# KiCad board Boom-1.kicad_pcb (continued)
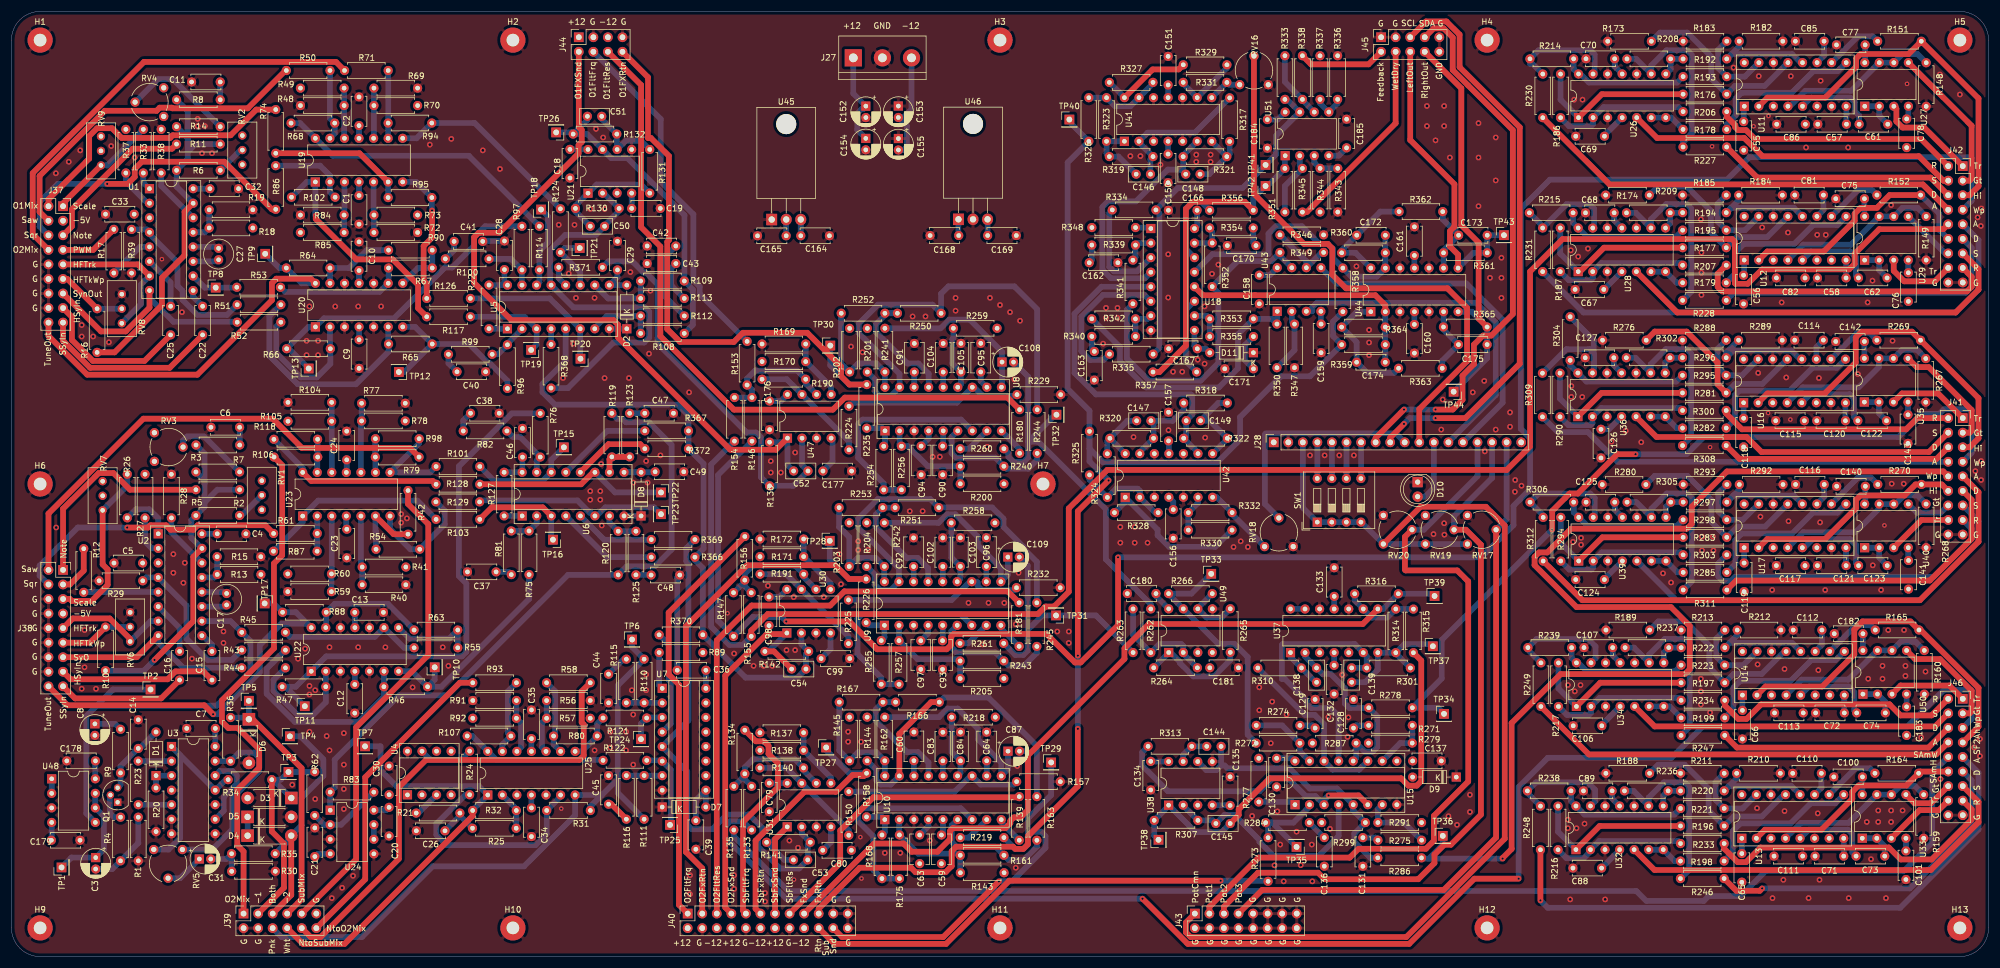
[diagram p0: board, top side]
## Routing (per net, layer and track width the routed paths; a pad name or vN(x,y) marks a point on that pad's centre or on a via; arc(x,y) is an arc through that point) (continued)
OscFiltEnv2AttackCV: length 93.2
  Bottom w1: J42.9 343.25,125.09 343.25,116.44 339.26,112.45 274.33,112.45 R231.1
OscFiltEnv2DecayCV: length 52.8
  Bottom w1: R228.1 300.56,115.89 341,115.89 342.05,116.94 342.05,123.75 J42.11
OscFiltEnv2Gate: length 9.6
  Bottom w1: J42.14 337.44,122.76 U29.5
OscFiltEnv2ReleaseCV: length 53.3
  Top w1: R207.1 297.74,119.2 297.74,116.92 298.52,116.13 341.24,116.13 342.05,116.94 342.05,118.67 J42.15
OscFiltEnv2SustainCV: length 71.8
  Top w1: J42.13 343.25,120.01 343.25,116.44 339.26,112.45 290.68,112.45 U28.5
OscFiltEnv2Trigger: length 13.1
  Top w1: J42.16 335.63,117.89 330.29,117.89 328.46,119.72 U29.3
PinkNoiseOut: length 113.9
  Bottom w1: TP6.1 108.3,54.02 R110.2 105.8,47.32 105.8,30.98 ; R31.2 101.02,26.2 103.02,28.2 ; 103.02,28.2 U25.7 98.36,24.65 89.46,15.75 73.5,15.75 61.16,3.41 47.13,3.41 J39.6 ; 103.02,28.2 105.8,30.98 ; R111.2 105.8,28.58 105.8,30.98
PreFV1FXReturn: length 248.3
  Top w1: v1(191.45,83.12) 186.08,77.75 v1(186.08,52.54) ; J40.19 140.86,8.34 148.02,15.5 156.98,15.5 157.76,14.72 163,14.72 164.07,15.79 164.07,18.4 164.85,19.18 174.76,19.18 175.14,18.8 176.58,18.8 177.36,19.58 177.36,21.02 186.08,29.75 v1(186.08,39.77)
  Bottom w1: R325.2 188.12,95.29 184.3,99.11 184.3,138.62 R326.2 184.61,145.72 ; R325.2 188.12,88.68 190.51,86.28 210.42,86.28 214.38,90.25 214.38,94.17 221.52,101.3 226.6,101.3 R359.1 230.61,108.33 230.61,110.87 R358.2 ; R325.2 188.12,86.45 v1(191.45,83.12) ; v1(186.08,39.77) v1(186.08,52.54)
PreFV1FXSend: length 142.2
  Top w1: U37.8 235.81,58.06 198.49,58.06 194.22,53.79 194.22,51.96 177.36,35.09 177.36,25.58 176.08,24.3 174.92,24.3 174.3,23.68 174.3,23.27 173.44,22.41 164.24,22.41 163.78,21.94 163.78,20.5 161.58,18.3 157.1,18.3 155.67,19.73 150.55,19.73 J40.17
  Bottom w1: TP39.1 247.95,63.33 R316.1 239.36,60.68 U37.8
SubAmpAudioBypassReturn: length 84.2
  Top w1: J40.20 143.61,2.21 163.09,2.21 174.13,13.25 v1(211,13.25)
  Bottom w1: v1(211,13.25) 219.16,13.25 R273.2
SubAmpAudioBypassSend: length 84.7
  Top w1: v1(172.31,13.13) 162.59,3.41 144.95,3.41 J40.22
  Bottom w1: 177.36,24.4 177.36,35.53 177.03,35.85 C87.2 ; 177.36,24.4 177.63,24.4 181.43,28.19 TP29.1 ; 177.36,24.4 177.36,20.36 ; R219.1 175.15,18.8 176.58,18.8 177.36,19.58 177.36,20.36 ; 177.36,20.36 177.36,20.94 178.22,21.8 179.66,21.8 180.44,21.02 180.44,18.98 174.59,13.13 v1(172.31,13.13)
SubAmpEnvAmtHigh: length 39
  Top w1: J41.12 336.84,82.42 R270.2 332.26,82.42 330.34,80.5 322.66,80.5 321.88,79.72 321.88,78.28 316.48,72.88 306.39,72.88 U17.2
SubAmpEnvAmtWiper: length 199.4
  Top w1: v1(260.2,17.1) 260.2,17.2 261.78,18.78 261.78,40.76 270.32,49.3 292,49.3 292.86,50.16 292.86,57.72 289.57,61.01 273.11,61.01 265.79,68.33 265.79,69.77 266.57,70.55 268.01,70.55 272.15,74.7 292.36,74.7 293.21,75.54 293.21,78.54 299.35,84.69 337.11,84.69 J41.10
  Bottom w1: TP36.1 249.76,19.51 247.35,17.1 ; 247.35,17.1 246.18,17.1 R286.1 ; 247.35,17.1 v1(260.2,17.1)
SubAmpEnvAttackCV: length 95.6
  Top w1: R312.1 274.13,62.21 333.02,62.21 343.25,72.44 343.25,81.09 J41.9
SubAmpEnvDecayCV: length 55.4
  Top w1: J41.11 342.05,79.75 342.05,72.94 334.77,65.65 300.99,65.65 R311.1
SubAmpEnvGate: length 8.1
  Bottom w1: U40.5 332.5,77.5 336.7,77.5 J41.14
SubAmpEnvReleaseCV: length 55.9
  Bottom w1: R303.1 297.84,68.64 297.84,66.35 298.62,65.57 300.06,65.57 300.78,66.3 335.41,66.3 342.05,72.94 342.05,74.67 J41.15
SubAmpEnvSustainCV: length 74.1
  Bottom w1: J41.13 343.25,76.01 343.25,72.44 333.02,62.21 290.49,62.21 U39.5
SubAmpEnvTrigger: length 11.5
  Top w1: J41.16 333.29,76.22 U40.3
SubFiltEnv1AmtHigh: length 39.1
  Top w1: J46.12 333.09,32.3 R164.2 330.66,29.86 322.34,29.86 321.23,28.75 321.23,27.54 315.83,22.14 305.99,22.14 U13.2
  Bottom w1: J46.12 337.96,32.16
SubFiltEnv1AmtWiper: length 235.4
  Bottom w1: 296.16,10.56 301.75,10.56 306.13,14.94 330.2,14.94 335.18,19.92 335.18,32.06 J46.10 ; 296.16,10.56 296.16,10.71 ; 296.16,10.56 295.31,9.71 285.28,9.71 283.55,11.44 135.58,11.44 126.05,20.97 R135.1
SubFiltEnv1AttackCV: length 105.3
  Top w1: R248.1 266.8,18.64 v1(266.8,9.8)
  Bottom w1: v1(266.8,9.8) 268.09,8.51 329.58,8.51 343.25,22.19 343.25,32.09 J46.9
SubFiltEnv1DecayCV: length 59
  Top w1: v1(305.5,11.9) 305.08,11.48 300.99,11.48 R246.1
  Bottom w1: J46.11 342.05,30.75 342.05,22.69 331.26,11.9 v1(305.5,11.9)
SubFiltEnv1Gate: length 9.2
  Top w1: J46.14 334.96,26.76 332.1,26.76 U33.5
SubFiltEnv1ReleaseCV: length 53.8
  Top w1: J46.15 342.05,25.67 342.05,23.94 335.06,16.94 329.7,16.94 327.61,19.03 305.22,19.03 302.67,16.48 301.23,16.48 298.87,18.84 R233.1
SubFiltEnv1SustainCV: length 72.5
  Top w1: J46.13 343.25,27.01 343.25,23.44 334.93,15.11 286.71,15.11 U32.5
SubFiltEnv1Trigger: length 12.6
  Top w1: U33.3 332.96,25.56 336.3,25.56 J46.16
SubFiltEnv2AmtHigh: length 62
  Top w1: U14.2 306.09,47.14 315.97,47.14 321.58,52.75 321.58,57.08 323.01,58.51 331.36,58.51 R165.2 333.14,57.01 343.25,46.91 343.25,40.13 J46.7
SubFiltEnv2AmtWiper: length 267.7
  Top w1: v1(197.37,10.1) 205.26,2.21 243.9,2.21 255.29,13.6 v1(263,13.6)
  Bottom w1: v1(197.37,10.1) 135.22,10.1 124.55,20.77 124.55,22.75 125.4,23.6 127.65,23.6 R133.1 ; J46.5 342.05,41.47 342.05,46.41 341.91,46.55 337.22,46.55 330.84,40.17 295.13,40.17 289.65,34.69 268.08,34.69 263,29.62 v1(263,13.6)
SubFiltEnv2AttackCV: length 75.4
  Top w1: R249.1 275.26,35.28 335.86,35.28 J46.8
SubFiltEnv2DecayCV: length 41.3
  Top w1: J46.6 334.52,36.48 301.1,36.48 R247.1
SubFiltEnv2Gate: length 19.6
  Top w1: U50.5 332.2,51.93 336.53,51.93 342.05,46.41 342.05,42.81 341.7,42.46 J46.3
SubFiltEnv2ReleaseCV: length 43.9
  Top w1: J46.2 335.06,42.1 329.64,42.1 327.71,44.03 305.32,44.03 302.77,41.48 301.33,41.48 298.97,43.84 R234.1
SubFiltEnv2SustainCV: length 57.1
  Top w1: J46.4 335.67,40.17 286.74,40.17 U34.5
SubFiltEnv2Trigger: length 13.9
  Top w1: U50.3 329.66,47.32 338.18,47.32 J46.1
SubFiltFreqCV: length 38
  Top w1: J40.9 127.65,8.01 127.65,23.48 133.74,29.56 133.74,33.76 132.11,35.39 132.11,36.8 131.33,37.58 129.92,37.58 R134.2
SubFiltResCV: length 51.9
  Top w1: R139.2 175.73,27.8 150.41,27.8 144.62,22 144.62,16.34 J40.15
SubFXReturn: length 46.7
  Top w1: J40.11 129.85,8.35 129.85,20.25 138.36,28.76 143.86,28.76 146.8,31.7 148.08,31.7 148.28,31.5 148.71,31.5 R158.2
  Bottom w1: TP27.1 142.17,36.03 146.2,32 R158.2
SubFXSend: length 26.7
  Top w1: 135.36,22.64 135.38,22.64 ; J40.13 133.24,20.51 U31.1
  Bottom w1: C53.2 134.86,16.87 R141.1 132.68,19.95 U31.1
SubOct1Out: length 38.9
  Top w1: J39.3 47.55,12.01 47.55,19.72 45.43,21.84 R34.1
  Bottom w1: D3.1 45.63,30.88 R34.1 47,30.88 TP3.1 52.89,32.22 R62.2
SubOct2Out: length 45.7
  Top w1: J39.7 50.63,10.01 50.63,32.89 42.09,41.43 D6.1
  Bottom w1: TP5.1 41.42,41.44 D6.1 41.13,41.73 R36.1
SubOctBothOut: length 42.4
  Top w1: D4.2 48.83,10.75 J39.5
  Bottom w1: TP4.1 50.43,38.45 54.42,34.46 54.42,31.53 50.63,27.74 50.63,22.91 D4.2 48.83,20.75 R35.1
SubToOsc2FiltMixCV: length 90.3
  Top w1: R106.1 47.24,85.78 47.24,70.06 45.81,68.63 45.81,53.8 36.73,44.72 36.73,41.01 37.84,39.9 39.5,39.9 43.23,36.17 43.23,32.95 39.4,29.12 39.4,19.44 40.5,18.35 J39.1
SubToSubFiltMixCV: length 84.5
  Top w1: R42.1 69.2,79.01 72.74,75.47 72.74,52.63 60.15,40.04 60.15,16.99 J39.9
WhiteNoiseOut: length 74.9
  Top w1: J39.8 50.87,2.21 58.13,2.21 80.48,24.56 R32.2
  Bottom w1: TP7.1 64.4,36.7 64.4,32.53 67.18,29.75 81.57,29.75 U25.1 80.48,25.56 R32.2
Net-(C3-Pad1): length 19.1
  Bottom w1: U48.7 U48.6 16.14,24.45 16.14,18.72 C3.1 10.46,17.28 TP1.1
Net-(C3-Pad2): length 13.8
  Bottom w1: C3.2 17.6,15.28 R4.2 22.13,19.81 R1.1
Net-(C6-Pad2): length 3.1
  Bottom w1: R3.2 39.83,92.39 C6.2
Net-(C11-Pad2): length 3.2
  Bottom w1: C11.2 36.43,149.59 R8.2 ; 36.43,152.59 36.48,152.63
Net-(C14-Pad1): length 12.6
  Bottom w1: Q1.3 19.03,29.97 R9.2 19.03,33.23 C14.1 22.35,36.33 D1.2
Net-(C15-Pad2): length 3.8
  Bottom w1: C15.2 34.98,54.43 33.23,56.19 U2.9
Net-(C16-Pad2): length 9.4
  Bottom w1: U2.6 29.34,57.38 C16.2
Net-(C17-Pad2): length 4.4
  Bottom w1: U2.11 37.26,61.1 C17.2
Net-(C22-Pad2): length 3.4
  Bottom w1: U1.9 31.7,115.18 C22.2
Net-(C25-Pad2): length 9.4
  Bottom w1: U1.6 27.77,117.67 C25.2
Net-(C26-Pad1): length 7.7
  Bottom w1: R25.1 78.25,24.6 R21.1 78.25,24.55 C26.1
Net-(C27-Pad2): length 4.6
  Bottom w1: U1.11 35.86,121.36 C27.2
Net-(C31-Pad1): length 6.8
  Bottom w1: RV5.2 29.43,13.68 C31.1
Net-(C31-Pad2): length 7.2
  Bottom w1: R30.1 38.43,14.83 38.41,14.85 R35.2 37.48,17.03 C31.2
Net-(C37-Pad1): length 2.8
  Bottom w1: C37.1 86.75,67.16 R81.2
Net-(C38-Pad1): length 3.6
  Bottom w1: R82.2 78.84,93.58 C38.1
Net-(C40-Pad1): length 3.7
  Bottom w1: R99.2 76.26,103.58 C40.1
Net-(C41-Pad1): length 3.7
  Bottom w1: C41.1 77.24,123.33 R100.2
Net-(C42-Pad1): length 14.5
  Bottom w1: C42.1 113.93,122.05 113.93,115.32 R112.2
Net-(C43-Pad1): length 7.4
  Bottom w1: C43.1 115.13,120.19 115.13,117.17 R113.2
Net-(C44-Pad1): length 4.2
  Bottom w1: R115.2 106.82,51.92 C44.1
Net-(C45-Pad1): length 4.2
  Top w1: R116.2 104.68,26.6 C45.1
Net-(C47-Pad1): length 2.7
  Bottom w1: R123.2 110.51,94.85 C47.1
Net-(C48-Pad1): length 2.7
  Bottom w1: R125.2 111.59,66.63 C48.1
Net-(C50-Pad1): length 69.9
  Bottom w1: U21.2 103.37,133.28 R130.2 106.04,130.17 103.5,127.63 C50.1 102,126 96.64,126 94,123.36 94,117.39 U5.13 98.05,113.34 110.51,113.34 111.29,112.56 111.29,108.08 110.41,107.2 105.06,107.2 97.12,99.25 R368.2
Net-(C50-Pad2): length 19.8
  Bottom w1: R131.2 109.88,134.78 102.11,134.78 U21.1 98.42,131.09 R130.1 98.42,130.08 C50.2
Net-(C51-Pad1): length 13.8
  Bottom w1: R131.1 109.88,142.4 107.19,142.4 U21.6 105.63,140.95 R132.2 103,146.22 C51.1
Net-(C51-Pad2): length 54.7
  Bottom w1: U21.7 104.65,139.4 107.48,139.4 117.43,129.44 117.43,117.97 R109.2 118.91,116.44 118.91,110.3 R108.2 ; U21.7 102.83,140.9 ; U21.7 100.45,143.59 R132.1 ; TP26.1 97.72,143.89 R132.1 ; R132.1 100.5,146.08 C51.2
Net-(C52-Pad1): length 69.9
  Bottom w1: R371.1 104.16,121.37 108.33,121.37 110.26,119.44 110.66,119.44 112.73,117.37 112.73,107.04 128.3,91.48 129.94,91.48 130.79,90.63 130.79,83.68 R136.2 136.4,82.18 C52.1 137.95,85.81 U47.2
Net-(C53-Pad1): length 90.7
  Bottom w1: R369.1 117.76,71.3 117.76,69.01 118.12,68.65 118.12,41.22 U7.5 117.93,32.28 117.93,23.01 118.71,22.23 122.27,22.23 124.84,24.8 128.67,24.8 131,22.47 131,21.4 130.28,20.67 130.28,19.23 134.14,15.37 137.45,15.37 C53.1 138.95,19.5 R141.2 137.91,21.44 U31.2
Net-(C54-Pad1): length 109.2
  Bottom w1: U30.2 137.85,54.52 R142.2 138.64,52.81 C54.1 137.14,48.69 128.12,48.69 R370.2 120.64,67.83 119.26,69.21 119.26,69.73 120.77,71.24 120.77,86.03 R372.1 R367.1 118.15,94.45 116.24,96.36 94.83,96.36 92.66,98.53 92.66,99.97 96.71,104.02 U5.5
Net-(C55-Pad1): length 3.1
  Bottom w1: C55.1 302.28,148.52 302.38,148.62 U11.1
Net-(C56-Pad1): length 2.7
  Bottom w1: C56.1 302.36,119.06 U12.1
Net-(C57-Pad2): length 3.2
  Bottom w1: C57.2 320.21,148.43 320.23,148.45 U11.8
Net-(C58-Pad2): length 3.1
  Bottom w1: C58.2 320.14,118.48 U12.8
Net-(C59-Pad2): length 2.8
  Bottom w1: U10.5 162.56,21.5 C59.2
Net-(C60-Pad1): length 2.7
  Bottom w1: C60.1 157.48,31.53 U10.16
Net-(C61-Pad1): length 14.2
  Bottom w1: C61.1 322.42,146.82 321.66,147.58 321.66,149.17 320.88,149.95 314.04,149.95 U11.5
Net-(C61-Pad2): length 6.3
  Bottom w1: C61.2 325.94,146.8 U27.2 U27.1
Net-(C62-Pad1): length 14.2
  Bottom w1: C62.1 321.88,118.9 321.88,122.08 320.86,123.1 314.02,123.1 U12.5
Net-(C62-Pad2): length 6.2
  Bottom w1: U29.1 U29.2 325.92,119.86 C62.2
Net-(C63-Pad1): length 3.3
  Bottom w1: U10.4 160.02,22.76 C63.1
Net-(C64-Pad1): length 2.6
  Bottom w1: C64.1 170.18,31.53 U10.11
Net-(C65-Pad1): length 2.7
  Bottom w1: U13.1 C65.1
Net-(C66-Pad1): length 2.7
  Bottom w1: U14.1 C66.1
Net-(C71-Pad2): length 3.1
  Bottom w1: U13.8 C71.2
Net-(C72-Pad2): length 3.1
  Bottom w1: U14.8 C72.2
Net-(C73-Pad1): length 14.2
  Bottom w1: C73.1 321.23,18.19 321.23,21.36 320.45,22.14 313.61,22.14 U13.5
Net-(C73-Pad2): length 6.2
  Bottom w1: U33.1 U33.2 326.89,19.27 C73.2
Net-(C74-Pad1): length 14.2
  Bottom w1: U14.5 313.71,47.14 320.55,47.14 321.58,46.12 321.58,42.95 C74.1
Net-(C74-Pad2): length 6.4
  Bottom w1: C74.2 326.99,44.44 U50.2 U50.1
Net-(C84-Pad2): length 11.1
  Bottom w1: R218.1 164.07,35.7 C84.2 165.6,32.03 U10.13
Net-(C87-Pad1): length 33.1
  Bottom w1: R162.2 161.85,41.79 163.35,43.29 165.12,43.29 168.68,39.74 168.68,37.89 172.72,33.85 U10.10 173.9,32.71 C87.1
Net-(C90-Pad2): length 2.7
  Bottom w1: U8.5 162.59,89.2 C90.2
Net-(C91-Pad1): length 2.7
  Bottom w1: C91.1 157.55,99.44 U8.16
Net-(C92-Pad1): length 2.7
  Bottom w1: C92.1 157.42,65.45 U9.16
Net-(C93-Pad2): length 2.7
  Bottom w1: U9.5 162.49,55.17 C93.2
Net-(C94-Pad1): length 3.2
  Bottom w1: U8.4 160.05,90.42 C94.1
Net-(C95-Pad1): length 3.1
  Bottom w1: C95.1 169.14,100.47 U8.11
Net-(C96-Pad1): length 2.7
  Bottom w1: C96.1 170.13,65.46 U9.11
Net-(C97-Pad1): length 3.2
  Bottom w1: U9.4 159.95,56.42 C97.1
Net-(C103-Pad2): length 11.2
  Bottom w1: R258.1 164.02,75.68 164.02,69.66 C103.2 165.58,65.99 U9.13
Net-(C105-Pad2): length 11.2
  Bottom w1: U8.13 165.68,99.95 C105.2 164.18,103.55 164.18,107.77 164.37,107.96 R259.1
Net-(C108-Pad1): length 29.6
  Bottom w1: R241.2 162.14,109.68 163.65,111.19 167.23,111.19 172.86,105.56 C108.1 172.86,99.51 U8.10
Net-(C108-Pad2): length 69.7
  Bottom w1: 177.42,89.86 179.2,89.86 190.97,78.09 190.97,69.34 198.81,61.5 R262.2 198.81,60.58 ; 177.42,89.86 177.42,101.23 C108.2 ; 177.42,89.86 182.16,94.6 TP32.1 ; 177.42,89.86 177.42,87.14 176.64,86.36 174.86,86.36 173.98,87.24 173.98,87.86 R260.1
Net-(C109-Pad1): length 32.9
  Bottom w1: C109.1 173.87,66.66 U9.10 172.65,67.81 168.63,71.83 168.63,73.29 164.71,77.21 163.27,77.21 161.78,75.72 R242.2
Net-(C109-Pad2): length 44.4
  Bottom w1: R263.1 189.24,59.55 TP31.1 179.89,59.55 177.34,57 ; 177.34,57 177.34,68.27 C109.2 ; 177.34,57 177.34,53.43 176.56,52.65 175.17,52.65 R261.1
Net-(C118-Pad1): length 2.7
  Bottom w1: U16.1 302.26,93.99 C118.1
Net-(C119-Pad1): length 2.7
  Bottom w1: U17.1 C119.1
Net-(C120-Pad2): length 3.1
  Bottom w1: U16.8 C120.2
Net-(C121-Pad2): length 3.1
  Bottom w1: U17.8 320.13,68.27 C121.2
Net-(C122-Pad1): length 14.2
  Bottom w1: C122.1 321.54,94.21 321.54,97.4 320.76,98.18 313.92,98.18 U16.5
Net-(C122-Pad2): length 6.3
  Bottom w1: U35.1 U35.2 325.87,94.88 C122.2
Net-(C123-Pad1): length 14.2
  Bottom w1: U17.5 312.83,71.38 314.33,72.88 320.85,72.88 321.88,71.85 321.88,68.69 C123.1
Net-(C123-Pad2): length 6.2
  Bottom w1: U40.1 U40.2 325.92,69.65 C123.2
Net-(C128-Pad1): length 2.8
  Bottom w1: R271.2 234.64,40.35 C128.1
Net-(C129-Pad1): length 2.8
  Bottom w1: R274.2 227.03,40.35 C129.1
Net-(C131-Pad1): length 2.8
  Bottom w1: C131.1 238,20.76 R275.2
Net-(C136-Pad1): length 3.7
  Bottom w1: R284.2 C136.1
Net-(C138-Pad1): length 7.1
  Bottom w1: C138.1 227.61,47.88 R310.1 223.19,52.3 U37.1
Net-(C138-Pad2): length 32.6
  Bottom w1: U15.12 234.64,34.64 R287.1 236.13,35.77 237.53,35.77 238.33,36.57 238.33,41.94 R278.2 236.8,43.39 233.46,43.39 232.68,44.17 232.68,46.86 230.2,49.34 228.78,49.34 C138.2 225.73,52.39 U37.2
Net-(C139-Pad1): length 50
  Bottom w1: U15.13 231.59,35.72 ; 231.59,35.72 231.59,38.57 ; 231.59,35.72 231.59,42 230.2,43.39 226.77,43.39 225.99,44.17 225.99,44.67 222.19,48.47 221.69,48.47 221.69,54.42 221.83,54.56 234.39,54.56 U37.6 236.49,52.46 R301.1 236.48,50.39 C139.1
Net-(C139-Pad2): length 22.5
  Bottom w1: TP37.1 247.66,54.54 243.06,54.54 R314.1 ; R314.1 238.44,53.05 U37.7 238.43,50.1 236.22,47.89 C139.2 ; R314.1 241.57,52.92 R301.2
Net-(C144-Pad1): length 5.9
  Bottom w1: C144.1 205.97,36.69 R313.1 204.46,35.21 U38.7
Net-(C144-Pad2): length 47.7
  Bottom w1: 211.08,33.36 211.68,33.36 212.16,32.88 223,32.88 226.55,29.33 231.31,29.33 U15.5 234.13,25.52 R299.1 234.32,21.45 234.32,20.04 237.13,17.23 R286.2 ; 211.08,33.36 210.26,32.55 208.5,32.55 U38.6 ; 211.08,33.36 C144.2
Net-(C145-Pad1): length 39.2
  Bottom w1: U15.4 231.59,21.05 228.13,17.59 220.22,17.59 217.78,20.03 217.78,20.34 213.39,24.73 211.67,24.73 C145.1 209.63,23.77 R307.1 204.46,26.34 U38.2
Net-(C145-Pad2): length 81.7
  Top w1: C145.2 214.15,24.71 214.15,25.7 219.56,31.11 242.5,31.11 243.78,29.83 245.22,29.83 246.01,30.62 246.01,51.67 R315.2
  Bottom w1: C145.2 211.17,21.73 206.62,21.73 U38.1 201.92,26.29 R307.2 199.41,21.13 TP38.1
Net-(C146-Pad1): length 11.9
  Bottom w1: C146.1 193.19,139.66 R319.2 191.09,140.15 R323.2 194.2,142.32 U41.1
Net-(C146-Pad2): length 25.9
  Bottom w1: R317.1 206.49,143.83 198.25,143.83 U41.2 196.75,142.11 R319.1 198.76,139.22 C146.2
Net-(C147-Pad1): length 12.6
  Bottom w1: R324.2 191.23,90.04 R320.1 ; R320.1 U42.14 ; R320.1 194.74,93.55 C147.1
Net-(C147-Pad2): length 14.6
  Bottom w1: R318.2 204.55,95.45 202.63,93.53 198.86,93.53 C147.2 199.29,93.1 R320.2 196.89,88.08 U42.13
Net-(C148-Pad1): length 12.5
  Bottom w1: R317.2 212.57,140.14 R321.2 ; R321.2 209.02,136.59 C148.1 ; R321.2 209.45,142.28 U41.7
Net-(C148-Pad2): length 45
  Bottom w1: U18.4 197.77,118.43 191.85,118.43 190.37,119.92 190.37,130.85 191.37,131.85 196.24,131.85 201.78,137.39 204.11,137.39 C148.2 204.46,137.04 R321.1 204.46,139.88 U41.6
Net-(C149-Pad1): length 15.7
  Bottom w1: R318.1 210.57,96.64 C149.1 209.09,93.56 R322.2 212.17,90.38 U42.8
Net-(C149-Pad2): length 59.6
  Bottom w1: U18.5 190.21,116.94 185.5,112.23 185.5,101.88 189.24,98.14 205.84,98.14 206.05,97.93 206.05,94.62 C149.2 204.99,90.92 R322.1 207.05,87.98 U42.9
Net-(C162-Pad1): length 3.3
  Bottom w1: R339.2 188.52,121.58 C162.1
Net-(C163-Pad1): length 2.8
  Bottom w1: R340.2 188.52,106.08 C163.1
Net-(C170-Pad1): length 3.3
  Bottom w1: R354.2 216.7,124.59 C170.1
Net-(C171-Pad1): length 6.9
  Bottom w1: R355.2 215.22,106.74 215.22,104.12 C171.1
Net-(C172-Pad1): length 19.4
  Bottom w1: U44.14 234.54,122.86 R360.1 232.12,123.31 C172.1 238.87,130.05 R362.2
Net-(C172-Pad2): length 49.7
  Bottom w1: C172.2 239.75,122.87 R360.2 U44.13 238.24,118.7 233.83,118.7 R358.1 230.62,121.91 230.62,123.49 229.69,124.42 228.25,124.42 225.18,127.49 220.63,127.49 219.35,126.22 219.35,122.62 209.58,122.62 U18.13
Net-(C173-Pad2): length 12.1
  Bottom w1: U44.9 R361.2 249.9,123.31 C173.2 249.76,128.69 R362.1
Net-(C174-Pad1): length 21.8
  Bottom w1: U44.1 234.79,112.58 R364.1 234.73,107.28 C174.1 236.59,101.9 241.25,101.9 R363.2
Net-(C174-Pad2): length 44.6
  Top w1: U44.2 239.74,113.71 237.99,115.46 217.03,115.46 207.91,115.46 U18.12
  Bottom w1: C174.2 239.74,103.77 R359.2 239.73,106.83 R364.2 239.74,109.91 U44.2
Net-(C175-Pad2): length 12.1
  Bottom w1: R363.1 249.67,104.01 C175.2 249.88,109.46 R365.2 249.9,109.93 U44.6
Net-(D1-Pad1): length 4.9
  Bottom w1: R20.1 D1.1 U3.3
Net-(D4-Pad1): length 3.3
  Bottom w1: D4.1 D5.1
Net-(D10-Pad2): length 11.4
  Bottom w1: D10.2 246.65,80.29 248.2,81.85 J28.12
Net-(J28-Pad4): length 6.3
  Bottom w1: J28.4 227.88,83.49 SW1.8
Net-(J28-Pad5): length 6.3
  Bottom w1: SW1.7 230.42,83.49 J28.5
Net-(J28-Pad6): length 6.3
  Bottom w1: J28.6 232.96,83.49 SW1.6
Net-(J28-Pad7): length 6.3
  Bottom w1: SW1.5 235.5,83.49 J28.7
Net-(J28-Pad10): length 40.5
  Bottom w1: J28.10 241.57,91.33 218.85,91.33 ; 218.71,91.19 218.71,79.02 RV18.2
Net-(J28-Pad11): length 99.1
  Top w1: RV16.2 216.82,133.15 225.55,124.42 229.69,124.42 230.47,123.64 230.47,119.07 232.88,116.66 250.58,116.66 254,113.24 254,103.92 245.66,95.58 J28.11
Net-(J28-Pad13): length 59.8
  Bottom w1: U43.3 226.96,112.64 227,112.68 227,113.36 227.78,114.14 255.55,114.14 259,110.69 259,98.04 J28.13
Net-(J28-Pad14): length 59.7
  Bottom w1: U43.5 231.26,117.5 253.89,117.5 260.2,111.19 260.2,96.7 J28.14
Net-(Q1-Pad2): length 5.3
  Bottom w1: R4.1 17.9,24.33 17.18,25.05 17.18,28.12 Q1.2
Net-(R2-Pad1): length 5.3
  Bottom w1: R2.1 40.16,77 RV1.2
Net-(R6-Pad1): length 5.3
  Bottom w1: RV2.2 39.96,140.8 R6.1
Net-(R7-Pad1): length 13.9
  Bottom w1: RV3.2 29.94,90.1 30.65,90.81 33.61,90.81 R7.1
Net-(R10-Pad1): length 62.3
  Top w1: v1(24.96,51.78) 31.73,58.55 31.73,69.76 U2.15
  Bottom w1: v1(24.96,51.78) 23.09,49.91 R10.1 16.41,50 ; 33.69,82.65 33.69,79.26 ; 33.69,82.65 33.69,87.82 R3.1 ; 33.69,82.65 33.69,83.1 R7.2 ; 33.69,79.26 33.69,78.51 R2.2 31.39,76.21 31.39,73.1 U2.15 ; 33.69,79.26 35.94,81.5 R5.1
Net-(R11-Pad1): length 65
  Top w1: R16.1 17.98,105.48 26.27,113.77 26.27,118.49 30.2,122.43 30.2,130.02 U1.15
  Bottom w1: U1.15 28.81,134.41 28.81,137.26 30.76,139.21 30.76,140.48 ; 30.76,140.48 30.76,142.56 ; 30.76,140.48 32.11,141.84 R11.1 ; 30.76,142.56 30.76,147.64 R8.1 ; 30.76,142.56 30.76,142.94 28.81,144.88
Net-(R12-Pad2): length 13
  Bottom w1: U2.5 12.67,63.64 R12.2
Net-(R13-Pad1): length 6
  Bottom w1: R15.2 35.89,66.72 R13.1 35.39,66.18 U2.13
Net-(R14-Pad1): length 20
  Bottom w1: RV4.2 25.58,153.18 28.13,153.18 R14.1
Net-(R17-Pad2): length 8.1
  Bottom w1: R17.2 22.42,123.9 U1.5
Net-(R18-Pad1): length 6.3
  Bottom w1: R19.2 R18.1 33.74,126.44 U1.13
Net-(R21-Pad2): length 4.9
  Bottom w1: R21.2 71,25.05 U4.3
Net-(R22-Pad1): length 3.2
  Bottom w1: R22.1 86.54,109.61 U5.1
Net-(R23-Pad1): length 5.8
  Bottom w1: R23.1 27.93,34.13 U3.2
Net-(R23-Pad2): length 5.8
  Bottom w1: U3.5 27.93,26.51 R23.2
Net-(R24-Pad1): length 38.4
  Bottom w1: R24.1 79.23,28.25 74.15,23.17 74.15,21.23 75.93,19.45 91.46,19.45 93.4,21.39 R31.1 95.82,27.92 U25.6
Net-(R24-Pad2): length 9.6
  Bottom w1: U4.7 73.14,34.35 78.43,34.35 R24.2
Net-(R25-Pad2): length 6.8
  Bottom w1: U25.2 88.1,25.76 R32.1 88.1,22.43 R25.2
Net-(R26-Pad2): length 9.4
  Bottom w1: R26.2 21.71,78.09 24.03,78.09 25.61,76.51 U2.1
Net-(R27-Pad2): length 6.9
  Bottom w1: R27.2 23.31,72.43 24.48,71.26 U2.2
Net-(R28-Pad2): length 10.1
  Bottom w1: R28.2 27.91,74.04 U2.14
Net-(R29-Pad1): length 27.6
  Bottom w1: R43.2 38.46,51.78 34.26,51.78 30.54,55.51 30.54,61.26 U2.4 23.49,66.18 R29.1
Net-(R33-Pad2): length 3.2
  Bottom w1: R33.2 23.01,135.13 U1.1
Net-(R34-Pad2): length 35.8
  Bottom w1: RV5.1 27.4,18.68 29.43,20.71 29.43,35.17 U3.1 U3.11 37.38,30.88 R34.2
Net-(R36-Pad2): length 33.3
  Bottom w1: RV5.3 35.02,18.68 38.56,22.21 38.56,27.69 43.23,32.36 43.23,34.67 42.29,35.61 39.73,35.61 R36.2 35.57,34.11 U3.13
Net-(R37-Pad2): length 7.2
  Bottom w1: R37.2 19.96,135.32 23.76,131.52 U1.2
Net-(R38-Pad2): length 10.1
  Bottom w1: R38.2 26.13,134.55 U1.14
Net-(R39-Pad1): length 28.9
  Bottom w1: R39.1 23.57,126.95 U1.4 24.08,126.12 28.97,121.23 28.97,117.11 29.86,116.21 29.86,114.63 32.46,112.03 37.62,112.03 R51.2
Net-(R40-Pad2): length 12.1
  Bottom w1: R40.2 R41.2 60.98,68.22 U23.5
Net-(R42-Pad2): length 12.8
  Top w1: R42.2 66.69,73.74 U23.6
  Bottom w1: R54.1 63.6,71.12 63.6,74.2 63.52,74.28 U23.6
Net-(R43-Pad1): length 37.7
  Bottom w1: U22.6 65.01,47.12 R46.2 64.99,45.36 60.58,40.95 49.47,40.95 44.53,45.89 44.53,50.23 R43.1
Net-(R44-Pad1): length 22.1
  Bottom w1: R44.1 45.73,48.33 45.73,46.38 49.96,42.15 52.6,42.15 54.86,44.41 R47.2 54.85,47.11 U22.2
Net-(R45-Pad1): length 25.2
  Bottom w1: U22.9 63.39,55.81 48.61,55.81 R45.1 48.06,56.6 ; U22.9 64.99,57.44 ; U22.9 68.53,53.91 R55.2
Net-(R45-Pad2): length 77.5
  Bottom w1: 14.47,43.39 13.06,41.98 13.06,24.99 U48.5 ; 14.47,43.39 14.88,43.8 35.81,43.8 41.69,49.68 41.69,55.1 R45.2 38.23,58.56 U2.10 ; 14.47,43.39 17.7,46.62 TP2.1
Net-(R46-Pad1): length 38.4
  Bottom w1: TP10.1 73.85,48.34 R46.1 ; R46.1 75,47.1 90.32,62.43 R75.2 ; R46.1 69.91,49.81 U22.7
Net-(R47-Pad1): length 91
  Bottom w1: R76.2 87.3,94.83 78.07,85.59 78.07,66.43 79.38,65.12 79.38,53.18 78.6,52.4 54.91,52.4 U22.1 49.61,47.1 R47.1 47.78,47.1 TP11.1
Net-(R48-Pad2): length 8.8
  Bottom w1: R49.2 R48.2 58.05,142.92 U19.12
Net-(R50-Pad2): length 12.5
  Bottom w1: U19.13 56.41,143.7 R68.1 55.58,146.34 R50.2
Net-(R51-Pad1): length 39.3
  Bottom w1: R51.1 45.01,111.8 45.01,104.87 49.96,99.91 60.1,99.91 65.8,105.61 R65.2 65.74,107.01 U20.6
Net-(R52-Pad1): length 24.4
  Bottom w1: R52.1 46.21,109.95 46.21,105.37 50.46,101.11 53.28,101.11 55.64,103.48 R66.2 55.58,106.18 U20.2
Net-(R53-Pad1): length 22.4
  Bottom w1: R53.1 47.75,116.05 64.24,116.05 U20.9 65.8,117.61 R67.2
Net-(R53-Pad2): length 8.5
  Bottom w1: R53.2 39.26,116.79 TP8.1 33.74,116.79 U1.10
Net-(R55-Pad1): length 14.8
  Bottom w1: R55.1 R63.1 76.38,55.5 69.47,55.5 U22.8
Net-(R56-Pad2): length 9.5
  Bottom w1: U25.10 92.58,36.52 92.58,40.8 R57.2 R56.2
Net-(R58-Pad2): length 13.2
  Bottom w1: U25.9 94.6,37.04 R80.1 94.88,38.78 94.88,46.3 R58.2
Net-(R59-Pad2): length 13.2
  Bottom w1: R59.2 R60.2 55.9,66.87 U23.3
Net-(R61-Pad2): length 6.1
  Bottom w1: R87.1 53.36,70.78 R61.2 U23.2
Net-(R62-Pad1): length 13.3
  Bottom w1: R83.2 57.53,23.01 U24.2 54.54,23.01 R62.1
Net-(R63-Pad2): length 20.6
  Bottom w1: R63.2 65.67,61.59 56.42,61.59 R88.2 54.93,57.5 U22.13